# Altium PCB IntelligentCarFor51PcbDoc.PcbDoc (part 6 of 14)
Units mil, origin at the board's own origin, x right, y up, seen from the top; angles counter-clockwise.
Board outline 2298.05 x 2090.03 mil, 2 copper layers (Top Layer, Bottom Layer); 55 components, 66 nets, 258 pads, 143 vias.
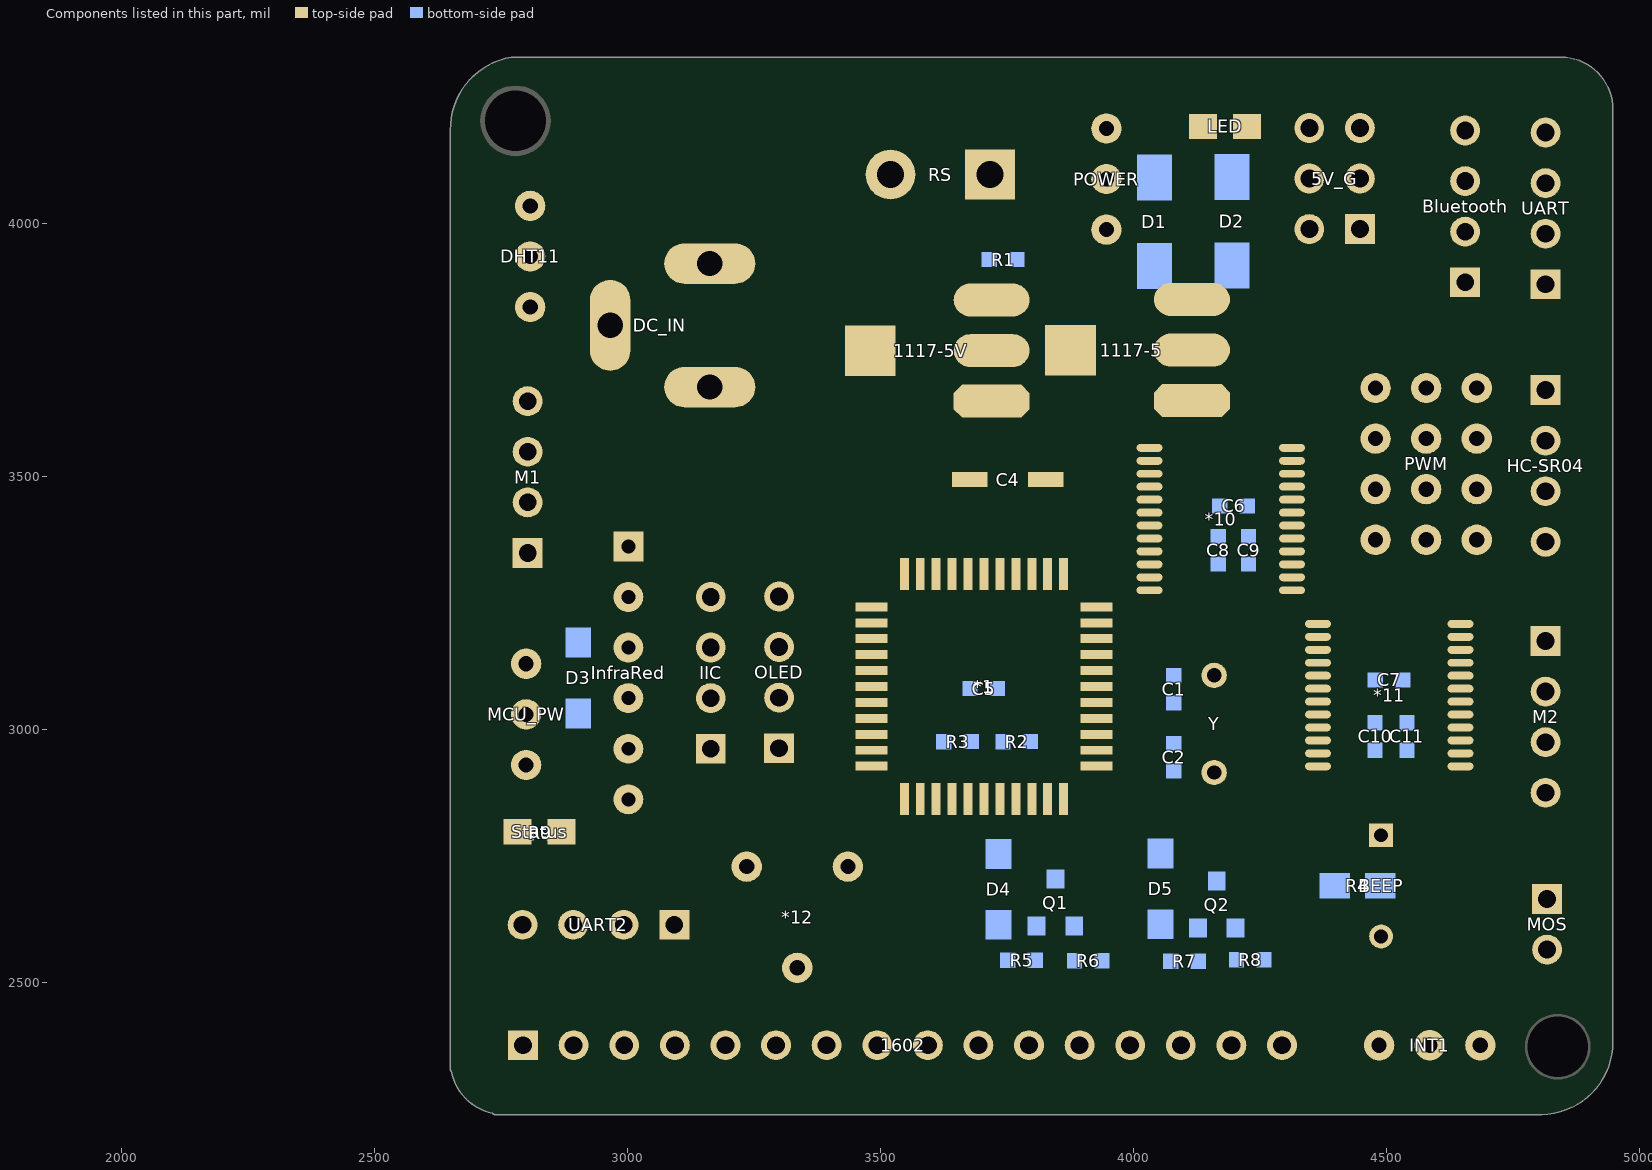
[diagram p6: the components of this part, seen from the top]

## Via types
v1: diameter 12, hole 8, Top Layer to Bottom Layer, 53 vias
v2: diameter 10, hole 7, Top Layer to Bottom Layer, 20 vias
v3: diameter 20, hole 12, Top Layer to Bottom Layer, 15 vias
v4: diameter 35, hole 25, Top Layer to Bottom Layer, 13 vias
v5: diameter 15, hole 10, Top Layer to Bottom Layer, 10 vias
v6: diameter 18, hole 12, Top Layer to Bottom Layer, 10 vias
v7: diameter 50, hole 35, Top Layer to Bottom Layer, 7 vias
v8: diameter 30, hole 20, Top Layer to Bottom Layer, 5 vias
v9: diameter 12, hole 7, Top Layer to Bottom Layer, 3 vias
v10: diameter 25, hole 18, Top Layer to Bottom Layer, 2 vias
v11: diameter 40, hole 30, Top Layer to Bottom Layer, 2 vias
v12: diameter 8, hole 7, Top Layer to Bottom Layer, 1 vias
v13: diameter 30, hole 22, Top Layer to Bottom Layer, 1 vias
v14: diameter 24, hole 18, Top Layer to Bottom Layer, 1 vias

## Nets (pads, with @x,y where several pads share a name; then routed paths per layer and width w, separated by ;. In a path a pad name is that pad's centre, name@x,y a point inside that pad or via, vN(x,y) a via of type N, cw(c..) or ccw(c..) an arc to the next point about the centre after c; other vN are vias at no path point) (continued)
copper on no net: (continued)
  Top Layer w0.3: 2241.8,3714.1 2254.1,3714.1 ; 2241.8,3714.4 2254.1,3714.4 ; 2241.8,3714.7 2254.1,3714.7 ; 2241.8,3715 2254.1,3715 ; 2241.8,3715.3 2254.1,3715.3 ; 2241.8,3715.6 2254.1,3715.6 ; 2241.8,3715.9 2254.1,3715.9 ; 2241.8,3716.2 2254.1,3716.2 ; 2241.8,3716.5 2254.1,3716.5 ; 2241.8,3716.8 2254.1,3716.8 ; 2241.8,3717.1 2254.1,3717.1 ; 2241.8,3717.4 2254.1,3717.4 ; 2241.8,3717.7 2254.1,3717.7 ; 2241.8,3718 2254.1,3718 ; 2241.8,3718.3 2254.1,3718.3 ; 2241.8,3718.6 2254.1,3718.6 ; 2241.8,3718.9 2254.1,3718.9 ; 2241.8,3719.2 2254.1,3719.2 ; 2241.8,3719.5 2254.1,3719.5 ; 2241.8,3719.8 2254.1,3719.8 ; 2241.8,3720.1 2254.1,3720.1 ; 2241.8,3720.4 2254.1,3720.4 ; 2241.8,3720.7 2254.1,3720.7 ; 2241.8,3721 2254.1,3721 ; 2241.8,3721.3 2253.8,3721.3 ; 2241.8,3721.6 2253.8,3721.6 ; 2241.8,3721.9 2253.8,3721.9 ; 2241.8,3722.2 2253.8,3722.2 ; 2241.8,3722.5 2253.8,3722.5 ; 2241.8,3722.8 2253.8,3722.8 ; 2241.8,3723.1 2253.8,3723.1 ; 2241.8,3723.4 2253.8,3723.4 ; 2241.8,3723.7 2253.8,3723.7 ; 2241.8,3724 2253.8,3724 ; 2241.8,3724.3 2253.8,3724.3 ; 2241.8,3751.6 2261.6,3751.6 ; 2241.8,3765.1 2243.9,3765.1 ; 2242,3986.2 2242.9,3986.2 ; 2242,3986.5 2242.6,3986.5 ; 2242,3987.7 2242.9,3987.7 ; 2242,3988.9 2243.2,3988.9 ; 2242,3991.6 2242.3,3991.6 ; 2242,3991.9 2242.6,3991.9 ; 2242,3993.4 2242.9,3993.4 ; 2242.1,3646.9 2301.8,3646.9 ; 2242.1,3677.2 2332.1,3677.2 ; 2242.1,3677.5 2332.1,3677.5 ; 2242.1,3677.8 2332.4,3677.8 ; 2242.1,3678.1 2332.7,3678.1 ; 2242.1,3678.4 2333,3678.4 ; 2242.1,3678.7 2255,3678.7 ; 2242.1,3679 2255,3679 ; 2242.1,3679.3 2255,3679.3 ; 2242.1,3679.6 2255,3679.6 ; 2242.1,3679.9 2254.7,3679.9 ; 2242.1,3680.2 2254.7,3680.2 ; 2242.1,3680.5 2254.7,3680.5 ; 2242.1,3680.8 2254.7,3680.8 ; 2242.1,3681.1 2254.7,3681.1 ; 2242.1,3681.4 2254.7,3681.4 ; 2242.1,3681.7 2254.7,3681.7 ; 2242.1,3682 2254.7,3682 ; 2242.1,3682.3 2254.7,3682.3 ; 2242.1,3682.6 2254.7,3682.6 ; 2242.1,3682.9 2254.7,3682.9 ; 2242.1,3683.2 2254.7,3683.2 ; 2242.1,3683.5 2254.7,3683.5 ; 2242.1,3683.8 2254.7,3683.8 ; 2242.1,3684.1 2254.7,3684.1 ; 2242.1,3684.4 2254.7,3684.4 ; 2242.1,3684.7 2254.7,3684.7 ; 2242.1,3685 2254.7,3685 ; 2242.1,3685.3 2254.7,3685.3 ; 2242.1,3685.6 2254.7,3685.6 ; 2242.1,3685.9 2254.7,3685.9 ; 2242.1,3686.2 2254.7,3686.2 ; 2242.1,3686.5 2254.7,3686.5 ; 2242.1,3686.8 2254.7,3686.8 ; 2242.1,3687.1 2256.2,3687.1 ; 2242.1,3687.4 2321.6,3687.4 ; 2242.1,3687.7 2321.6,3687.7 ; 2242.1,3688 2321.6,3688 ; 2242.1,3688.3 2321.6,3688.3 ; 2242.1,3688.6 2321.6,3688.6 ; 2242.1,3688.9 2256.2,3688.9 ; 2242.1,3689.2 2254.7,3689.2 ; 2242.1,3689.5 2254.7,3689.5 ; 2242.1,3689.8 2254.7,3689.8 ; 2242.1,3690.1 2254.7,3690.1 ; 2242.1,3690.4 2254.7,3690.4 ; 2242.1,3690.7 2254.7,3690.7 ; 2242.1,3691 2254.4,3691 ; 2242.1,3691.3 2254.4,3691.3 ; 2242.1,3691.6 2254.4,3691.6 ; 2242.1,3691.9 2254.4,3691.9 ; 2242.1,3692.2 2254.4,3692.2 ; 2242.1,3692.5 2254.4,3692.5 ; 2242.1,3692.8 2254.4,3692.8 ; 2242.1,3693.1 2254.4,3693.1 ; 2242.1,3693.4 2254.4,3693.4 ; 2242.1,3693.7 2254.4,3693.7 ; 2242.1,3694 2254.7,3694 ; 2242.1,3694.3 2254.7,3694.3 ; 2242.1,3694.6 2254.7,3694.6 ; 2242.1,3694.9 2256.2,3694.9 ; 2242.1,3695.2 2260.7,3695.2 ; 2242.1,3695.5 2267,3695.5 ; 2242.1,3695.8 2273,3695.8 ; 2242.1,3696.1 2255.9,3696.1 ; 2242.1,3696.4 2255,3696.4 ; 2242.1,3696.7 2254.7,3696.7 ; 2242.1,3697 2254.7,3697 ; 2242.1,3697.3 2254.4,3697.3 ; 2242.1,3697.6 2254.4,3697.6 ; 2242.1,3697.9 2254.4,3697.9 ; 2242.1,3698.2 2254.4,3698.2 ; 2242.1,3698.5 2254.1,3698.5 ; 2242.1,3698.8 2254.1,3698.8 ; 2242.1,3699.1 2254.1,3699.1 ; 2242.1,3699.4 2254.1,3699.4 ; 2242.1,3699.7 2254.1,3699.7 ; 2242.1,3700 2254.1,3700 ; 2242.1,3700.3 2254.1,3700.3 ; 2242.1,3700.6 2254.1,3700.6 ; 2242.1,3700.9 2254.1,3700.9 ; 2242.1,3701.2 2254.1,3701.2 ; 2242.1,3701.5 2254.1,3701.5 ; 2242.1,3701.8 2254.1,3701.8 ; 2242.1,3702.1 2254.1,3702.1 ; 2242.1,3702.4 2254.1,3702.4 ; 2242.1,3702.7 2254.1,3702.7 ; 2242.1,3703 2254.1,3703 ; 2242.1,3703.3 2254.1,3703.3 ; 2242.1,3703.6 2254.1,3703.6 ; 2242.1,3703.9 2254.1,3703.9 ; 2242.1,3704.2 2254.1,3704.2 ; 2242.1,3704.5 2254.1,3704.5 ; 2242.1,3704.8 2254.1,3704.8 ; 2242.1,3705.1 2254.1,3705.1 ; 2242.1,3705.4 2254.1,3705.4 ; 2242.1,3705.7 2254.1,3705.7 ; 2242.1,3706 2254.1,3706 ; 2242.1,3706.3 2254.1,3706.3 ; 2242.1,3706.6 2254.1,3706.6 ; 2242.1,3706.9 2254.1,3706.9 ; 2242.1,3707.2 2254.1,3707.2 ; 2242.1,3707.5 2254.1,3707.5 ; 2242.1,3707.8 2254.1,3707.8 ; 2242.1,3708.1 2254.1,3708.1 ; 2242.1,3708.4 2254.1,3708.4 ; 2242.1,3708.7 2254.1,3708.7 ; 2242.1,3709 2254.1,3709 ; 2242.1,3709.3 2254.1,3709.3 ; 2242.1,3709.6 2254.1,3709.6 ; 2242.1,3709.9 2254.1,3709.9 ; 2242.1,3710.2 2254.1,3710.2 ; 2242.1,3710.5 2254.1,3710.5 ; 2242.1,3710.8 2254.1,3710.8 ; 2242.1,3711.1 2254.1,3711.1 ; 2242.1,3711.4 2254.1,3711.4 ; 2242.1,3711.7 2254.1,3711.7 ; 2242.1,3712 2254.1,3712 ; 2242.1,3712.3 2254.1,3712.3 ; 2242.1,3712.6 2254.1,3712.6 ; 2242.1,3712.9 2254.1,3712.9 ; 2242.1,3713.2 2254.1,3713.2 ; 2242.1,3713.5 2254.1,3713.5 ; 2242.1,3713.8 2254.1,3713.8 ; 2242.1,3764.8 2243.9,3764.8 ; 2242.3,3984.7 2242.9,3984.7 ; 2242.3,3989.2 2242.9,3989.2 ; 2242.3,3992.2 2243.2,3992.2 ; 2242.4,3764.5 2243.9,3764.5 ; 2242.6,3984.4 2243.8,3984.4 ; 2242.6,3985.9 2243.2,3985.9 ; 2242.6,3993.7 2243.5,3993.7 ; 2242.6,4011.4 2248,4011.4 ; 2242.7,3763.9 2243.9,3763.9 ; 2242.7,3764.2 2243.9,3764.2 ; 2242.9,3985.6 2243.8,3985.6 ; 2242.9,3988 2243.2,3988 ; 2242.9,3988.3 2243.5,3988.3 ; 2242.9,3988.6 2244.4,3988.6 ; 2242.9,3992.5 2243.5,3992.5 ; 2242.9,4003.3 2249.2,4003.3 ; 2243,3760.9 2244.5,3760.9 ; 2243,3761.2 2244.5,3761.2 ; 2243,3761.5 2244.2,3761.5 ; 2243,3761.8 2244.2,3761.8 ; 2243,3762.1 2244.2,3762.1 ; 2243,3762.4 2244.2,3762.4 ; 2243,3762.7 2244.2,3762.7 ; 2243,3763 2244.2,3763 ; 2243,3763.3 2244.2,3763.3 ; 2243,3763.6 2243.9,3763.6 ; 2243.2,3984.1 2247.1,3984.1 ; 2243.2,3985.3 2244.7,3985.3 ; 2243.2,3992.8 2244.4,3992.8 ; 2243.2,3994 2245.3,3994 ; 2243.2,4002.4 2251.6,4002.4 ; 2243.2,4002.7 2250.7,4002.7 ; 2243.2,4003 2250.1,4003 ; 2243.2,4003.6 2247.4,4003.6 ; 2243.3,3751.9 2260.4,3751.9 ; 2243.5,3966.7 2247.1,3966.7 ; 2243.5,3974.5 2247.4,3974.5 ; 2243.5,3974.8 2248.9,3974.8 ; 2243.5,3975.1 2249.8,3975.1 ; 2243.5,3975.4 2250.7,3975.4 ; 2243.5,3975.7 2251.3,3975.7 ; 2243.5,3988.9 2244.1,3988.9 ; 2243.5,3989.2 2244.1,3989.2 ; 2243.5,3989.5 2244.4,3989.5 ; 2243.5,3989.8 2244.7,3989.8 ; 2243.5,4001.2 2253.1,4001.2 ; 2243.5,4001.5 2253.1,4001.5 ; 2243.5,4001.8 2252.5,4001.8 ; 2243.5,4002.1 2252.2,4002.1 ; 2243.6,3647.2 2303,3647.2 ; 2243.6,3752.2 2259.5,3752.2 ; 2243.8,3976 2251.9,3976 ; 2243.8,3976.3 2252.5,3976.3 ; 2243.8,3976.6 2253.1,3976.6 ; 2243.8,3976.9 2253.4,3976.9 ; 2243.8,3988 2246.8,3988 ; 2243.8,3988.3 2244.7,3988.3 ; 2243.8,3990.1 2245,3990.1 ; 2243.8,3991.3 2245.3,3991.3 ; 2243.8,3991.6 2244.1,3991.6 ; 2243.8,3991.9 2244.1,3991.9 ; 2243.8,3992.2 2245.3,3992.2 ; 2243.8,4000 2252.2,4000 ; 2243.8,4000.3 2252.5,4000.3 ; 2243.8,4000.6 2252.5,4000.6 ; 2243.8,4000.9 2252.8,4000.9 ; 2243.9,3650.2 2332.4,3650.2 ; 2243.9,3752.5 2258.6,3752.5 ; 2244.1,3977.2 2253.4,3977.2 ; 2244.1,3977.5 2253.1,3977.5 ; 2244.1,3977.8 2252.8,3977.8 ; 2244.1,3978.1 2252.5,3978.1 ; 2244.1,3978.4 2252.2,3978.4 ; 2244.1,3985 2246.5,3985 ; 2244.1,3987.7 2246.5,3987.7 ; 2244.1,3990.4 2246.5,3990.4 ; 2244.1,3992.5 2245,3992.5 ; 2244.1,3993.1 2246.5,3993.1 ; 2244.1,3994.3 2246.5,3994.3 ; 2244.1,3998.8 2251.3,3998.8 ; 2244.1,3999.1 2251.3,3999.1 ; 2244.1,3999.4 2251.6,3999.4 ; 2244.1,3999.7 2251.9,3999.7 ; 2244.1,4009.9 2247.1,4009.9 ; 2244.4,3978.7 2251.9,3978.7 ; 2244.4,3979 2251.9,3979 ; 2244.4,3979.3 2251.6,3979.3 ; 2244.4,3979.6 2251.3,3979.6 ; 2244.4,3983.8 2246.2,3983.8 ; 2244.4,3991 2245,3991 ; 2244.4,3997.6 2250.1,3997.6 ; 2244.4,3997.9 2250.4,3997.9 ; 2244.4,3998.2 2250.7,3998.2 ; 2244.4,3998.5 2251,3998.5 ; 2244.4,4029.4 2254.9,4029.4 ; 2244.7,3968.2 2245.6,3968.2 ; 2244.7,3979.9 2251,3979.9 ; 2244.7,3980.2 2250.7,3980.2 ; 2244.7,3980.5 2250.4,3980.5 ; 2244.7,3980.8 2250.4,3980.8 ; 2244.7,3987.4 2245.9,3987.4 ; 2244.7,3990.7 2246.2,3990.7 ; 2244.7,3996.7 2249.5,3996.7 ; 2244.7,3997 2249.8,3997 ; 2244.7,3997.3 2250.1,3997.3 ; 2244.8,3652 2330.6,3652 ; 2244.8,3752.8 2257.7,3752.8 ; 2244.8,3768.7 2246.6,3768.7 ; 2245,3981.1 2250.1,3981.1 ; 2245,3981.4 2249.8,3981.4 ; 2245,3981.7 2249.5,3981.7 ; 2245,3982 2249.5,3982 ; 2245,3985.3 2245.3,3985.3 ; 2245,3986.2 2245.6,3986.2 ; 2245,3986.5 2245.6,3986.5 ; 2245,3991.6 2245.3,3991.6 ; 2245,3991.9 2245.3,3991.9 ; 2245,3995.8 2248.6,3995.8 ; 2245,3996.1 2248.9,3996.1 ; 2245,3996.4 2249.2,3996.4 ; 2245.1,3647.5 2304.5,3647.5 ; 2245.3,3982.3 2249.2,3982.3 ; 2245.3,3985.9 2246.8,3985.9 ; 2245.3,3986.8 2246.8,3986.8 ; 2245.3,3990.1 2246.8,3990.1 ; 2245.4,3760 2247.2,3760 ; 2245.4,3760.3 2246.9,3760.3 ; 2245.4,3760.6 2246.9,3760.6 ; 2245.4,3768.4 2247.5,3768.4 ; 2245.6,3985.6 2246.2,3985.6 ; 2245.6,3987.1 2246.2,3987.1 ; 2245.6,3994 2247.4,3994 ; 2245.7,3650.5 2331.8,3650.5 ; 2245.7,3760.9 2246.9,3760.9 ; 2245.7,3761.2 2246.9,3761.2 ; 2245.7,3761.5 2246.9,3761.5 ; 2245.7,3761.8 2246.9,3761.8 ; 2245.7,3762.1 2246.9,3762.1 ; 2245.7,3762.4 2246.9,3762.4 ; 2245.7,3762.7 2246.9,3762.7 ; 2245.7,3763 2265.8,3763 ; 2245.7,3763.3 2264.6,3763.3 ; 2245.7,3763.6 2263.7,3763.6 ; 2245.7,3763.9 2262.5,3763.9 ; 2245.7,3764.2 2261.6,3764.2 ; 2245.7,3764.5 2260.4,3764.5 ; 2245.7,3764.8 2259.5,3764.8 ; 2245.7,3765.1 2258.6,3765.1 ; 2245.7,3765.4 2257.4,3765.4 ; 2245.7,3765.7 2256.5,3765.7 ; 2245.7,3766 2255.6,3766 ; 2245.7,3766.3 2254.4,3766.3 ; 2245.7,3766.6 2253.5,3766.6 ; 2245.7,3766.9 2252.6,3766.9 ; 2245.7,3767.2 2251.4,3767.2 ; 2245.7,3767.5 2250.5,3767.5 ; 2245.7,3767.8 2249.6,3767.8 ; 2245.7,3768.1 2248.4,3768.1 ; 2245.9,3985.3 2247.1,3985.3 ; 2245.9,3988.3 2246.8,3988.3 ; 2245.9,3989.8 2246.8,3989.8 ; 2245.9,3992.8 2247.4,3992.8 ; 2246,3757 2255.3,3757 ; 2246.2,3972.4 2257.9,3972.4 ; 2246.2,3988.6 2247.1,3988.6 ; 2246.2,3988.9 2247.1,3988.9 ; 2246.2,3989.2 2247.1,3989.2 ; 2246.2,3989.5 2247.7,3989.5 ; 2246.5,3986.2 2246.8,3986.2 ; 2246.5,3986.5 2246.8,3986.5 ; 2246.6,3647.8 2306,3647.8 ; 2246.8,3984.4 2248,3984.4 ; 2246.8,3985.6 2247.7,3985.6 ; 2246.8,3992.5 2247.7,3992.5 ; 2246.8,3993.7 2248,3993.7 ; 2246.8,4005.7 2257.9,4005.7 ; 2246.9,3651.7 2330.9,3651.7 ; 2246.9,3756.7 2256.5,3756.7 ; 2247.1,3982.6 2248.9,3982.6 ; 2247.1,3989.8 2247.7,3989.8 ; 2247.1,3990.1 2247.7,3990.1 ; 2247.1,3995.5 2248.6,3995.5 ; 2247.1,4029.1 2256.1,4029.1 ; 2247.2,3650.8 2331.5,3650.8 ; 2247.4,3985.9 2248,3985.9 ; 2247.4,3989.2 2248.6,3989.2 ; 2247.4,3990.4 2248.3,3990.4 ; 2247.4,3992.2 2248,3992.2 ; 2247.7,3982.9 2248.6,3982.9 ; 2247.7,3984.7 2248.3,3984.7 ; 2247.7,3986.2 2248.3,3986.2 ; 2247.7,3991.9 2248.3,3991.9 ; 2247.7,3993.4 2248.3,3993.4 ; 2247.7,4014.4 2257.9,4014.4 ; 2247.8,3756.4 2257.4,3756.4 ; 2248,3967.9 2252.8,3967.9 ; 2248,3985 2248.9,3985 ; 2248,3986.5 2248.6,3986.5 ; 2248,3991.6 2248.6,3991.6 ; 2248,3993.1 2248.6,3993.1 ; 2248,3995.2 2248.3,3995.2 ; 2248.1,3648.1 2341.1,3648.1 ; 2248.1,3651.1 2331.2,3651.1 ; 2248.1,3651.4 2330.9,3651.4 ; 2248.1,3756.1 2258.6,3756.1 ; 2248.3,3986.8 2248.9,3986.8 ; 2248.3,3989.5 2248.6,3989.5 ; 2248.3,3989.8 2249.5,3989.8 ; 2248.3,3990.1 2249.5,3990.1 ; 2248.3,3991.3 2248.9,3991.3 ; 2248.3,4010.2 2253.1,4010.2 ; 2248.4,3762.7 2266.7,3762.7 ; 2248.6,3972.7 2258.2,3972.7 ; 2248.6,3985.3 2249.2,3985.3 ; 2248.6,3987.1 2248.9,3987.1 ; 2248.6,3987.4 2249.2,3987.4 ; 2248.6,3990.7 2249.2,3990.7 ; 2248.6,3991 2248.9,3991 ; 2248.6,3992.8 2249.2,3992.8 ; 2248.9,3985.6 2249.2,3985.6 ; 2248.9,3987.7 2249.2,3987.7 ; 2248.9,3988 2249.5,3988 ; 2248.9,3988.3 2249.5,3988.3 ; 2248.9,3988.6 2249.5,3988.6 ; 2248.9,3990.4 2249.2,3990.4 ; 2248.9,3992.5 2249.5,3992.5 ; 2248.9,4005.4 2258.2,4005.4 ; 2249,3648.4 2336,3648.4 ; 2249.2,3985.9 2249.5,3985.9 ; 2249.2,3986.2 2249.8,3986.2 ; 2249.2,3988.9 2249.5,3988.9 ; 2249.2,3989.2 2249.5,3989.2 ; 2249.2,3989.5 2249.5,3989.5 ; 2249.2,3991.9 2249.8,3991.9 ; 2249.2,3992.2 2249.5,3992.2 ; 2249.5,3986.5 2250.1,3986.5 ; 2249.5,3991.6 2250.1,3991.6 ; 2249.5,4028.8 2257.6,4028.8 ; 2249.6,3762.4 2267.9,3762.4 ; 2249.8,3968.2 2253.7,3968.2 ; 2249.8,3973 2258.8,3973 ; 2249.8,3986.8 2250.1,3986.8 ; 2249.8,3987.1 2250.4,3987.1 ; 2249.8,3987.4 2250.4,3987.4 ; 2249.8,3990.7 2250.4,3990.7 ; 2249.8,3991 2250.4,3991 ; 2249.8,3991.3 2250.1,3991.3 ; 2249.8,4009.9 2253.7,4009.9 ; 2249.9,3648.7 2335.1,3648.7 ; 2249.9,3649.6 2333.3,3649.6 ; 2250.1,3987.7 2250.4,3987.7 ; 2250.1,3988 2250.4,3988 ; 2250.1,3988.3 2250.7,3988.3 ; 2250.1,3988.6 2250.7,3988.6 ; 2250.1,3988.9 2250.7,3988.9 ; 2250.1,3989.2 2250.7,3989.2 ; 2250.1,3989.5 2250.7,3989.5 ; 2250.1,3989.8 2250.7,3989.8 ; 2250.1,3990.1 2250.4,3990.1 ; 2250.1,3990.4 2250.4,3990.4 ; 2250.1,4005.1 2258.8,4005.1 ; 2250.2,3649 2334.2,3649 ; 2250.2,3649.3 2333.6,3649.3 ; 2250.4,3993.4 2259.4,3993.4 ; 2250.4,3993.7 2259.4,3993.7 ; 2250.7,3973.3 2259.1,3973.3 ; 2250.7,3984.7 2259.4,3984.7 ; 2250.7,3985 2259.4,3985 ; 2250.7,3992.8 2259.4,3992.8 ; 2250.7,3993.1 2259.4,3993.1 ; 2250.7,3994 2259.1,3994 ; 2250.7,4004.8 2259.1,4004.8 ; 2250.7,4014.1 2258.5,4014.1 ; 2250.8,3762.1 2268.8,3762.1 ; 2251,3968.5 2254.3,3968.5 ; 2251,3984.1 2259.1,3984.1 ; 2251,3984.4 2259.1,3984.4 ; 2251,3985.3 2259.4,3985.3 ; 2251,3985.6 2259.7,3985.6 ; 2251,3992.5 2259.7,3992.5 ; 2251,3994.3 2259.1,3994.3 ; 2251,4009.6 2254.6,4009.6 ; 2251.3,3983.8 2259.1,3983.8 ; 2251.3,3985.9 2259.7,3985.9 ; 2251.3,3986.2 2259.7,3986.2 ; 2251.3,3991.9 2259.7,3991.9 ; 2251.3,3992.2 2259.7,3992.2 ; 2251.3,3994.6 2258.8,3994.6 ; 2251.4,3668.8 2253.8,3668.8 ; 2251.4,3753.1 2256.8,3753.1 ; 2251.6,3973.6 2259.4,3973.6 ; 2251.6,3983.5 2258.8,3983.5 ; 2251.6,3986.5 2259.7,3986.5 ; 2251.6,3986.8 2259.7,3986.8 ; 2251.6,3987.1 2260,3987.1 ; 2251.6,3991 2260,3991 ; 2251.6,3991.3 2259.7,3991.3 ; 2251.6,3991.6 2259.7,3991.6 ; 2251.6,3994.9 2258.8,3994.9 ; 2251.6,3995.2 2258.5,3995.2 ; 2251.6,4004.5 2259.4,4004.5 ; 2251.6,4028.5 2258.8,4028.5 ; 2251.7,3761.8 2270,3761.8 ; 2251.9,3968.8 2255.2,3968.8 ; 2251.9,3983.2 2258.8,3983.2 ; 2251.9,3987.4 2260,3987.4 ; 2251.9,3990.4 2260,3990.4 ; 2251.9,3990.7 2260,3990.7 ; 2251.9,3995.5 2258.5,3995.5 ; 2251.9,4009.3 2255.2,4009.3 ; 2252,3754.6 2254.4,3754.6 ; 2252.2,3973.9 2259.7,3973.9 ; 2252.2,3982.6 2258.5,3982.6 ; 2252.2,3982.9 2258.5,3982.9 ; 2252.2,3995.8 2258.5,3995.8 ; 2252.2,4013.8 2266,4013.8 ; 2252.5,3982.3 2258.2,3982.3 ; 2252.5,3996.1 2258.2,3996.1 ; 2252.5,3996.4 2258.2,3996.4 ; 2252.5,4004.2 2259.7,4004.2 ; 2252.6,3669.1 2254.1,3669.1 ; 2252.6,3669.4 2254.1,3669.4 ; 2252.6,3753.4 2255.9,3753.4 ; 2252.6,3753.7 2255.3,3753.7 ; 2252.6,3754 2255,3754 ; 2252.6,3754.3 2254.4,3754.3 ; 2252.8,3969.1 2255.5,3969.1 ; 2252.8,3974.2 2260,3974.2 ; 2252.8,3982 2258.2,3982 ; 2252.8,3996.7 2257.9,3996.7 ; 2252.8,4003.9 2260,4003.9 ; 2252.8,4009 2255.8,4009 ; 2252.9,3669.7 2254.1,3669.7 ; 2252.9,3670 2254.4,3670 ; 2252.9,3670.3 2254.4,3670.3 ; 2252.9,3670.6 2254.4,3670.6 ; 2252.9,3761.5 2270.9,3761.5 ; 2253.1,3981.4 2257.9,3981.4 ; 2253.1,3981.7 2257.9,3981.7 ; 2253.1,3997 2257.6,3997 ; 2253.2,3670.9 2254.4,3670.9 ; 2253.2,3671.2 2254.4,3671.2 ; 2253.2,3671.5 2254.4,3671.5 ; 2253.2,3671.8 2254.4,3671.8 ; 2253.2,3672.1 2254.4,3672.1 ; 2253.2,3672.4 2254.7,3672.4 ; 2253.2,3672.7 2254.7,3672.7 ; 2253.2,3673 2254.7,3673 ; 2253.2,3674.5 2268.8,3674.5 ; 2253.2,3674.8 2273.3,3674.8 ; 2253.4,3969.4 2256.1,3969.4 ; 2253.4,3974.5 2260.3,3974.5 ; 2253.4,3981.1 2257.6,3981.1 ; 2253.4,3997.3 2257.3,3997.3 ; 2253.4,3997.6 2257.3,3997.6 ; 2253.4,4003.6 2260.3,4003.6 ; 2253.4,4013.5 2266.3,4013.5 ; 2253.4,4028.2 2260,4028.2 ; 2253.5,3654.4 2329.4,3654.4 ; 2253.5,3673.3 2255,3673.3 ; 2253.5,3673.6 2257.4,3673.6 ; 2253.5,3673.9 2261,3673.9 ; 2253.5,3674.2 2264.9,3674.2 ; 2253.7,3980.8 2257.3,3980.8 ; 2253.7,3997.9 2257,3997.9 ; 2253.7,4008.7 2256.4,4008.7 ; 2253.8,3761.2 2272.1,3761.2 ; 2254,3974.8 2260.6,3974.8 ; 2254,3980.5 2257.3,3980.5 ; 2254,3998.2 2256.7,3998.2 ; 2254,4003.3 2260.6,4003.3 ; 2254.3,3969.7 2256.7,3969.7 ; 2254.3,3975.1 2260.9,3975.1 ; 2254.3,3979.9 2256.7,3979.9 ; 2254.3,3980.2 2257,3980.2 ; 2254.3,3998.5 2256.7,3998.5 ; 2254.3,4008.4 2256.7,4008.4 ; 2254.6,3979.6 2256.4,3979.6 ; 2254.6,3998.8 2256.4,3998.8 ; 2254.6,3999.1 2256.1,3999.1 ; 2254.6,4003 2260.9,4003 ; 2254.6,4013.2 2266.6,4013.2 ; 2254.9,3970 2257.3,3970 ; 2254.9,3975.4 2261.2,3975.4 ; 2254.9,3979 2256.1,3979 ; 2254.9,3979.3 2256.4,3979.3 ; 2254.9,3999.4 2255.8,3999.4 ; 2254.9,4002.7 2261.2,4002.7 ; 2254.9,4008.1 2257.3,4008.1 ; 2255,3754.6 2264.6,3754.6 ; 2255,3760.9 2273,3760.9 ; 2255.2,3975.7 2261.2,3975.7 ; 2255.2,3978.7 2255.8,3978.7 ; 2255.2,3999.7 2255.5,3999.7 ; 2255.2,4002.4 2261.2,4002.4 ; 2255.2,4012.9 2260.9,4012.9 ; 2255.2,4027.9 2261.2,4027.9 ; 2255.5,3970.3 2257.6,3970.3 ; 2255.5,4007.8 2257.9,4007.8 ; 2255.6,3760.6 2274.2,3760.6 ; 2255.8,3970.6 2258.2,3970.6 ; 2255.8,3976 2261.5,3976 ; 2255.8,4002.1 2261.5,4002.1 ; 2256.1,3976.3 2261.8,3976.3 ; 2256.1,4001.8 2261.8,4001.8 ; 2256.1,4007.5 2258.2,4007.5 ; 2256.1,4012.6 2273.2,4012.6 ; 2256.2,3754.3 2266.1,3754.3 ; 2256.4,3970.9 2258.5,3970.9 ; 2256.4,3976.6 2262.1,3976.6 ; 2256.4,4001.5 2262.1,4001.5 ; 2256.4,4007.2 2258.5,4007.2 ; 2256.5,3748.6 2273.6,3748.6 ; 2256.7,3976.9 2262.1,3976.9 ; 2256.7,4001.2 2262.4,4001.2 ; 2256.7,4012.3 2267.5,4012.3 ; 2256.8,3760.3 2275.4,3760.3 ; 2257,3971.2 2258.8,3971.2 ; 2257,3977.2 2262.4,3977.2 ; 2257,4000.9 2262.4,4000.9 ; 2257,4006.9 2259.1,4006.9 ; 2257,4019.2 2268.1,4019.2 ; 2257,4027.6 2262.4,4027.6 ; 2257.1,3654.7 2329.1,3654.7 ; 2257.1,3754 2267.6,3754 ; 2257.3,3971.5 2259.4,3971.5 ; 2257.3,3977.5 2262.7,3977.5 ; 2257.3,4000.6 2262.7,4000.6 ; 2257.3,4006.6 2259.4,4006.6 ; 2257.3,4012 2262.1,4012 ; 2257.6,3977.8 2263,3977.8 ; 2257.6,4000.3 2263,4000.3 ; 2257.6,4014.7 2265.1,4014.7 ; 2257.7,3748.3 2275.1,3748.3 ; 2257.7,3760 2276.3,3760 ; 2257.9,3971.8 2259.7,3971.8 ; 2257.9,3978.1 2263,3978.1 ; 2257.9,4000 2263,4000 ; 2257.9,4006.3 2259.7,4006.3 ; 2257.9,4011.7 2268.1,4011.7 ; 2257.9,4018.9 2268.4,4018.9 ; 2258.2,3972.1 2260,3972.1 ; 2258.2,3978.4 2263.3,3978.4 ; 2258.2,3999.7 2263.3,3999.7 ; 2258.2,4006 2260,4006 ; 2258.2,4014.4 2265.4,4014.4 ; 2258.3,3753.7 2269.7,3753.7 ; 2258.5,3972.4 2260.3,3972.4 ; 2258.5,3978.7 2263.3,3978.7 ; 2258.5,3979 2263.6,3979 ; 2258.5,3999.1 2263.6,3999.1 ; 2258.5,3999.4 2263.3,3999.4 ; 2258.5,4005.7 2260.3,4005.7 ; 2258.5,4011.4 2274.1,4011.4 ; 2258.5,4027.3 2263.3,4027.3 ; 2258.6,3748 2276.6,3748 ; 2258.6,3759.7 2277.5,3759.7 ; 2258.8,3972.7 2260.6,3972.7 ; 2258.8,3979.3 2263.6,3979.3 ; 2258.8,3998.8 2263.9,3998.8 ; 2258.8,4011.1 2263.3,4011.1 ; 2259.1,3979.6 2263.9,3979.6 ; 2259.1,3979.9 2263.9,3979.9 ; 2259.1,3998.5 2263.9,3998.5 ; 2259.1,4005.4 2260.6,4005.4 ; 2259.1,4014.1 2265.7,4014.1 ; 2259.4,3973 2260.9,3973 ; 2259.4,3980.2 2264.2,3980.2 ; 2259.4,3997.9 2264.2,3997.9 ; 2259.4,3998.2 2264.2,3998.2 ; 2259.4,4005.1 2261.2,4005.1 ; 2259.4,4010.8 2263.6,4010.8 ; 2259.5,3753.4 2273.3,3753.4 ; 2259.5,3759.4 2278.4,3759.4 ; 2259.7,3973.3 2261.5,3973.3 ; 2259.7,3980.5 2264.2,3980.5 ; 2259.7,3980.8 2264.5,3980.8 ; 2259.7,3997.3 2264.5,3997.3 ; 2259.7,3997.6 2264.2,3997.6 ; 2259.7,4004.8 2261.2,4004.8 ; 2259.8,3655 2329.1,3655 ; 2259.8,3747.7 2278.4,3747.7 ; 2260,3973.6 2261.5,3973.6 ; 2260,3981.1 2264.5,3981.1 ; 2260,3981.4 2264.8,3981.4 ; 2260,3996.7 2264.8,3996.7 ; 2260,3997 2264.5,3997 ; 2260,4004.5 2261.5,4004.5 ; 2260,4010.5 2264.2,4010.5 ; 2260,4018 2269,4018 ; 2260.3,3973.9 2261.8,3973.9 ; 2260.3,3981.7 2264.8,3981.7 ; 2260.3,3982 2264.8,3982 ; 2260.3,3996.1 2264.8,3996.1 ; 2260.3,3996.4 2264.8,3996.4 ; 2260.3,4004.2 2261.8,4004.2 ; 2260.3,4010.2 2269.3,4010.2 ; 2260.3,4027 2264.5,4027 ; 2260.4,3678.7 2333.3,3678.7 ; 2260.4,3759.1 2279.6,3759.1 ; 2260.6,3974.2 2262.1,3974.2 ; 2260.6,3982.3 2265.1,3982.3 ; 2260.6,3982.6 2265.1,3982.6 ; 2260.6,3995.5 2265.1,3995.5 ; 2260.6,3995.8 2265.1,3995.8 ; 2260.6,4003.9 2262.1,4003.9 ; 2260.6,4009.9 2264.8,4009.9 ; 2260.6,4017.7 2269.3,4017.7 ; 2260.7,3696.1 2277.8,3696.1 ; 2260.7,3747.4 2280.8,3747.4 ; 2260.7,3753.1 2273.3,3753.1 ; 2260.9,3974.5 2262.4,3974.5 ; 2260.9,3982.9 2265.1,3982.9 ; 2260.9,3983.2 